# Allegro board SDHCalFEB20180110.brd (continued)
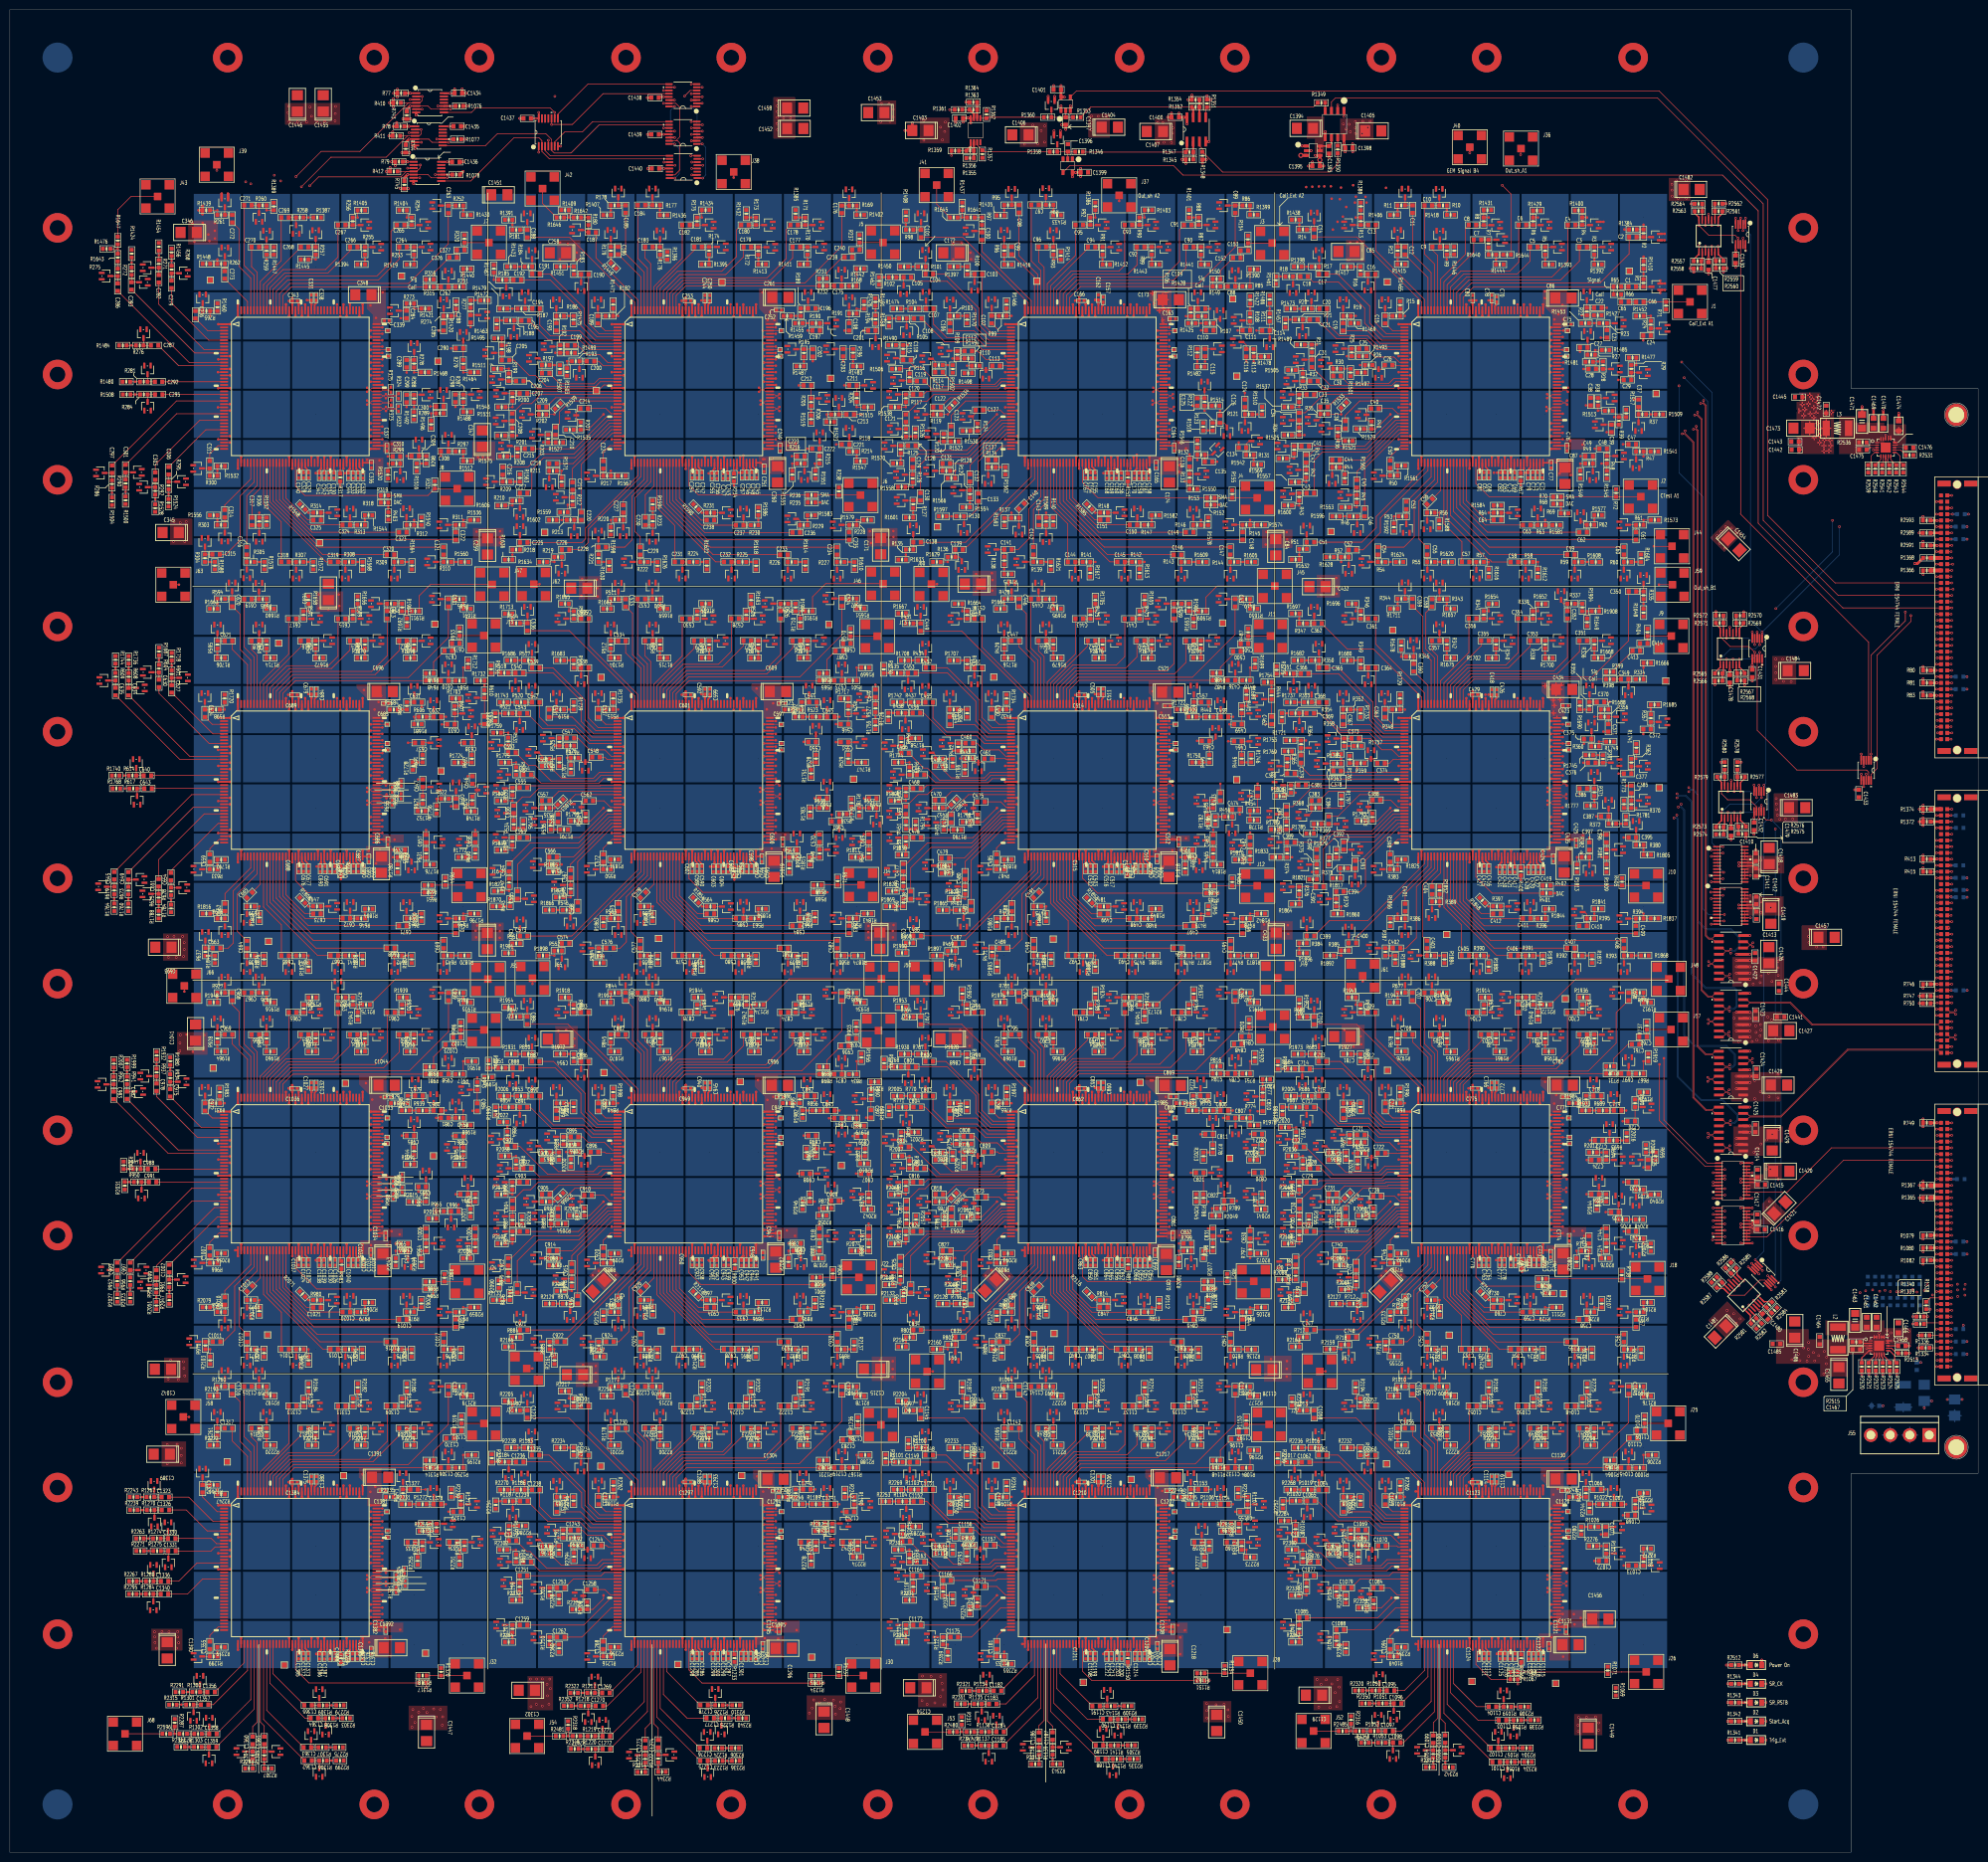
[diagram p0: board, top side]
## Routing (per net, layer and track width the routed paths; a pad name or vN(x,y) marks a point on that pad's centre or on a via; arc(x,y) is an arc through that point) (continued)
ESD_SIGNAL51_ASIC_C2: length 3.1
  TOP w0.127: U636.3 183.72,106.12 C834.1 R801.2
ESD_SIGNAL51_ASIC_C3: length 3
  TOP w0.127: R884.2 C921.1 103.74,106.12 U701.3
ESD_SIGNAL51_ASIC_D1: length 3
  TOP w0.127: U831.3 278.51,34.39 R1050.2 280,32.85 C1095.1
ESD_SIGNAL51_ASIC_D2: length 3
  TOP w0.127: U896.3 198.58,32.78 R1134.2 200.06,32.77 C1182.1
ESD_SIGNAL51_ASIC_D3: length 3
  TOP w0.127: U961.3 118.95,32.37 R1217.2 120.43,32.37 C1269.1
ESD_SIGNAL51_ASIC_D4: length 3
  TOP w0.127: C1356.1 40.14,32.55 R1300.2 38.66,32.55 U1026.3
ESD_SIGNAL52_ASIC_A1: length 3.1
  TOP w0.127: U52.3 272.25,262.6 272.25,262.6 R52.2 C52.1
ESD_SIGNAL52_ASIC_A2: length 3.4
  TOP w0.127: U117.3 193.56,262.69 193.03,263.22 R136.2 C139.1
ESD_SIGNAL52_ASIC_A3: length 3.1
  TOP w0.127: C226.1 R219.2 112.24,262.6 112.24,262.6 U182.3
ESD_SIGNAL52_ASIC_B1: length 3.1
  TOP w0.127: R385.2 C400.1 272.24,184.76 U312.3
ESD_SIGNAL52_ASIC_B5: length 3.1
  TOP w0.127: C487.1 R469.2 192.25,181.56 U377.3
ESD_SIGNAL52_ASIC_B6: length 3.1
  TOP w0.127: C574.1 R552.2 112.24,181.59 U442.3
ESD_SIGNAL52_ASIC_C1: length 3.1
  TOP w0.127: C748.1 R718.2 272.24,101.6 U572.3
ESD_SIGNAL52_ASIC_C2: length 3
  TOP w0.127: U637.3 192.25,101.63 R802.2 C835.1
ESD_SIGNAL52_ASIC_C3: length 3.1
  TOP w0.127: U702.3 108.23,103.73 R885.2 109.77,103.73 C922.1
ESD_SIGNAL52_ASIC_D1: length 3
  TOP w0.127: R1051.2 279.92,30.22 C1096.1 281.4,30.22 U832.3
ESD_SIGNAL52_ASIC_D2: length 3
  TOP w0.127: C1183.1 199.1,30.11 R1135.2 197.61,28.58 U897.3
ESD_SIGNAL52_ASIC_D3: length 3
  TOP w0.127: C1270.1 119.11,29.73 R1218.2 117.63,28.2 U962.3
ESD_SIGNAL52_ASIC_D4: length 3
  TOP w0.127: U1027.3 37.36,28.45 R1301.2 38.85,29.98 C1357.1
ESD_SIGNAL53_ASIC_A1: length 3.1
  TOP w0.127: U53.3 283.96,270.65 283.96,270.65 R53.2 283.96,272.05 283.97,272.06 C53.1
ESD_SIGNAL53_ASIC_A2: length 3.5
  TOP w0.127: C140.1 205.21,272.99 R137.2 205.21,270.55 205.19,270.54 U118.3
ESD_SIGNAL53_ASIC_A3: length 3
  TOP w0.127: U183.3 124.74,270.14 124.74,270.15 R220.2 124.74,271.34 124.75,271.35 C227.1
ESD_SIGNAL53_ASIC_A4: length 3.1
  TOP w0.127: C314.1 43.71,271.23 R303.2 43.71,268.13 U248.3
ESD_SIGNAL53_ASIC_B1: length 3.1
  TOP w0.127: C401.1 283.72,189.73 R386.2 283.71,189.72 U313.3
ESD_SIGNAL53_ASIC_B5: length 3.1
  TOP w0.127: U378.3 203.73,189.72 R470.2 203.73,191.21 C488.1
ESD_SIGNAL53_ASIC_B6: length 3.1
  TOP w0.127: C575.1 123.7,189.74 R553.2 123.72,188.14 U443.3
ESD_SIGNAL53_ASIC_B7: length 1.5
  TOP w0.127: C662.1 43.74,189.73 R636.2
ESD_SIGNAL53_ASIC_C1: length 3.1
  TOP w0.127: U573.3 283.71,109.76 R719.2 283.72,109.77 C749.1
ESD_SIGNAL53_ASIC_C2: length 3
  TOP w0.127: U638.3 203.7,109.76 R803.2 203.71,109.77 C836.1
ESD_SIGNAL53_ASIC_C3: length 3.1
  TOP w0.127: U703.3 123.72,108.21 R886.2 123.73,109.77 C923.1
ESD_SIGNAL53_ASIC_C4: length 3
  TOP w0.127: C1010.1 43.72,109.77 R969.2 43.71,108.23 U768.3
ESD_SIGNAL53_ASIC_D1: length 3
  TOP w0.127: U833.3 278.24,24.63 R1052.2 278.24,24.61 C1097.1
ESD_SIGNAL53_ASIC_D2: length 3
  TOP w0.127: U898.3 200.61,25.98 C1184.1 200.6,24.44 R1136.2
ESD_SIGNAL53_ASIC_D3: length 3.1
  TOP w0.127: R1219.2 120.51,23.58 C1271.1 120.53,23.57 U963.3
ESD_SIGNAL53_ASIC_D4: length 3
  TOP w0.127: R1302.2 40.53,24.04 C1358.1 40.54,24.03 U1028.3
ESD_SIGNAL54_ASIC_A1: length 3.1
  TOP w0.127: U54.3 277.35,262.21 277.36,262.2 R54.2 278.19,262.8 278.19,262.8 C54.1
ESD_SIGNAL54_ASIC_A2: length 3.1
  TOP w0.127: R138.2 C141.1 U119.3
ESD_SIGNAL54_ASIC_A3: length 3.1
  TOP w0.127: R221.2 119.69,263.75 C228.1 U184.3
ESD_SIGNAL54_ASIC_A4: length 3.1
  TOP w0.127: C315.1 39.69,263.74 R304.2 39.67,265.32 U249.3
ESD_SIGNAL54_ASIC_B1: length 3.1
  TOP w0.127: C402.1 279.73,183.71 R387.2 278.13,183.72 U314.3
ESD_SIGNAL54_ASIC_B5: length 3.1
  TOP w0.127: U379.3 198.2,183.72 R471.2 199.74,183.71 C489.1
ESD_SIGNAL54_ASIC_B6: length 3.1
  TOP w0.127: C576.1 121.26,183.72 R554.2 119.75,183.72 U444.3
ESD_SIGNAL54_ASIC_B7: length 3.1
  TOP w0.127: C663.1 39.77,183.71 R637.2 39.76,183.73 U509.3
ESD_SIGNAL54_ASIC_C1: length 3.1
  TOP w0.127: U574.3 279.77,103.74 R720.2 281.28,103.73 C750.1
ESD_SIGNAL54_ASIC_C2: length 3.1
  TOP w0.127: C837.1 201.27,103.73 R804.2 198.23,103.73 U639.3
ESD_SIGNAL54_ASIC_C3: length 3.1
  TOP w0.127: C924.1 119.76,103.73 R887.2 118.22,103.73 U704.3
ESD_SIGNAL54_ASIC_C4: length 3.1
  TOP w0.127: C1011.1 41.27,103.73 R970.2 38.23,103.73 U769.3
ESD_SIGNAL54_ASIC_D1: length 3.1
  TOP w0.127: U834.3 281.25,20.7 C1098.1 279.77,22.25 R1053.2
ESD_SIGNAL54_ASIC_D2: length 3
  TOP w0.127: U899.3 199.06,20.15 R1137.2 200.55,21.68 C1185.1
ESD_SIGNAL54_ASIC_D3: length 3
  TOP w0.127: U964.3 119.05,19.43 R1220.2 120.54,20.96 C1272.1
ESD_SIGNAL54_ASIC_D4: length 3.1
  TOP w0.127: U1029.3 40.49,19.82 C1359.1 40.47,21.37 R1303.2
ESD_SIGNAL55_ASIC_A1: length 3.1
  TOP w0.127: C55.1 288.21,262.81 288.23,262.8 R55.2 288.23,261.38 288.23,261.37 U55.3
ESD_SIGNAL55_ASIC_A2: length 3.3
  TOP w0.127: U120.3 207.18,262.22 207.19,262.2 R139.2 208.15,262.8 208.14,262.81 C142.1
ESD_SIGNAL55_ASIC_A3: length 3.1
  TOP w0.127: U185.3 128.19,262.21 R222.2 C229.1
ESD_SIGNAL55_ASIC_A4: length 3.1
  TOP w0.127: U250.3 48.18,261.6 48.18,261.61 R305.2 48.18,262.8 48.17,262.81 C316.1
ESD_SIGNAL55_ASIC_B1: length 3.1
  TOP w0.127: 288.18,182.22 288.17,182.23 C403.1 ; 288.18,182.22 U315.3 ; 288.18,182.22 R388.2
ESD_SIGNAL55_ASIC_B5: length 3.1
  TOP w0.127: C490.1 208.23,183.7 R472.2 208.23,180.62 U380.3
ESD_SIGNAL55_ASIC_B6: length 3.1
  TOP w0.127: U445.3 128.19,182.21 R555.2 128.17,182.23 C577.1
ESD_SIGNAL55_ASIC_B7: length 3.1
  TOP w0.127: U510.3 48.21,180.65 R638.2 48.21,182.22 C664.1
ESD_SIGNAL55_ASIC_C1: length 3.1
  TOP w0.127: U575.3 288.24,100.64 R721.2 288.24,103.66 C751.1
ESD_SIGNAL55_ASIC_C2: length 3.1
  TOP w0.127: C838.1 208.23,102.2 R805.2 208.23,100.64 U640.3
ESD_SIGNAL55_ASIC_C3: length 3.1
  TOP w0.127: U705.3 128.24,100.66 R888.2 128.25,102.2 C925.1
ESD_SIGNAL55_ASIC_C4: length 3.1
  TOP w0.127: U770.3 48.23,100.66 R971.2 48.24,102.21 C1012.1
ESD_SIGNAL55_ASIC_D1: length 3
  TOP w0.127: C1099.1 289.46,20.71 R1054.2 287.91,20.7 U835.3
ESD_SIGNAL55_ASIC_D2: length 3
  TOP w0.127: U900.3 207.75,21.31 R1138.2 209.27,21.32 C1186.1
ESD_SIGNAL55_ASIC_D3: length 3
  TOP w0.127: C1273.1 129.21,19.72 R1221.2 127.66,19.71 U965.3
ESD_SIGNAL55_ASIC_D4: length 3
  TOP w0.127: U1030.3 47.83,20.45 R1304.2 49.38,20.46 C1360.1
ESD_SIGNAL56_ASIC_A1: length 3.4
  TOP w0.127: C56.1 288.2,273.93 R56.2 288.2,271.61 288.21,271.61 U56.3
ESD_SIGNAL56_ASIC_A2: length 3.1
  TOP w0.127: C143.1 R140.2 210.72,268.78 210.73,268.77 U121.3
ESD_SIGNAL56_ASIC_A3: length 3.1
  TOP w0.127: C230.1 130.11,269.7 130.12,269.7 R223.2 130.71,268.85 130.7,268.85 U186.3
ESD_SIGNAL56_ASIC_A4: length 3.1
  TOP w0.127: C317.1 R306.2 50.72,268.08 U251.3
ESD_SIGNAL56_ASIC_B1: length 3.1
  TOP w0.127: U316.3 289.2,193.18 R389.2 289.2,194.69 C404.1
ESD_SIGNAL56_ASIC_B5: length 3.4
  TOP w0.127: U381.3 208.2,192.19 R473.2 208.2,192.2 C491.1
ESD_SIGNAL56_ASIC_B6: length 3.4
  TOP w0.127: U446.3 128.24,190.61 R556.2 128.24,192.2 C578.1
ESD_SIGNAL56_ASIC_B7: length 3.3
  TOP w0.127: C665.1 48.2,192.2 R639.2 48.21,192.19 48.21,190.63
ESD_SIGNAL56_ASIC_C1: length 3.2
  TOP w0.127: 288.25,113.86 288.25,112.19 R722.2 288.24,110.62 U576.3
ESD_SIGNAL56_ASIC_C2: length 3.3
  TOP w0.127: C839.1 208.21,112.22 R806.2 208.23,110.65 U641.3
ESD_SIGNAL56_ASIC_C3: length 3.3
  TOP w0.127: C926.1 128.25,112.22 R889.2 128.24,110.67 U706.3
ESD_SIGNAL56_ASIC_C4: length 3.3
  TOP w0.127: C1013.1 R972.2 48.23,112.2 U771.3
ESD_SIGNAL56_ASIC_D1: length 3.1
  TOP w0.127: U836.3 291.89,20.72 R1055.2 291.88,20.74 C1100.1
ESD_SIGNAL56_ASIC_D2: length 3
  TOP w0.127: C1187.1 212.06,22.82 R1139.2 213.58,21.34 U901.3
ESD_SIGNAL56_ASIC_D3: length 3
  TOP w0.127: C1274.1 131.83,19.8 R1222.2 133.37,19.79 U966.3
ESD_SIGNAL56_ASIC_D4: length 3
  TOP w0.127: C1361.1 51.74,20.46 R1305.2 53.26,20.45 U1031.3
ESD_SIGNAL57_ASIC_A1: length 3
  TOP w0.127: U57.3 298.21,261.6 298.21,261.6 R57.2 C57.1
ESD_SIGNAL57_ASIC_A2: length 3.1
  TOP w0.127: U122.3 216.65,262.18 C144.1 218.15,262.19 R141.2
ESD_SIGNAL57_ASIC_A3: length 3.1
  TOP w0.127: U187.3 C231.1 138.22,262.2 R224.2
ESD_SIGNAL57_ASIC_A4: length 3.1
  TOP w0.127: U252.3 58.22,260.61 R307.2 58.2,262.22 C318.1
ESD_SIGNAL57_ASIC_B1: length 3.1
  TOP w0.127: U317.3 298.22,180.64 R390.2 296.74,182.21 C405.1
ESD_SIGNAL57_ASIC_B5: length 3.1
  TOP w0.127: U382.3 218.24,180.62 R474.2 218.22,182.22 C492.1
ESD_SIGNAL57_ASIC_B6: length 3.1
  TOP w0.127: U447.3 138.22,182.21 R557.2 136.74,182.21 C579.1
ESD_SIGNAL57_ASIC_B7: length 3.1
  TOP w0.127: U512.3 56.74,180.62 C666.1 56.76,182.21 R640.2
ESD_SIGNAL57_ASIC_C1: length 3.1
  TOP w0.127: R723.2 296.76,102.2 C753.1 296.75,100.64 U577.3
ESD_SIGNAL57_ASIC_C2: length 3.1
  TOP w0.127: R807.2 216.72,102.21 C840.1 216.71,100.66 U642.3
ESD_SIGNAL57_ASIC_C3: length 3.1
  TOP w0.127: R890.2 138.24,102.21 C927.1 136.75,100.66 U707.3
ESD_SIGNAL57_ASIC_C4: length 3
  TOP w0.127: C1014.1 56.76,102.2 R973.2 58.24,100.66 U772.3
ESD_SIGNAL57_ASIC_D1: length 3
  TOP w0.127: U837.3 304.5,16.79 R1056.2 304.48,18.32 C1101.1
ESD_SIGNAL57_ASIC_D2: length 3
  TOP w0.127: U902.3 224.31,17.4 R1140.2 224.29,18.93 C1188.1
ESD_SIGNAL57_ASIC_D3: length 3.1
  TOP w0.127: U967.3 141.91,17.02 C1275.1 141.92,18.56 R1223.2
ESD_SIGNAL57_ASIC_D4: length 3
  TOP w0.127: U1032.3 62.92,17.07 R1306.2 61.43,18.61 C1362.1
ESD_SIGNAL58_ASIC_A1: length 3.1
  TOP w0.127: C58.1 307.31,262.19 307.33,262.2 R58.2 308.22,261.6 308.22,261.6 U58.3
ESD_SIGNAL58_ASIC_A2: length 3.1
  TOP w0.127: U123.3 226.71,261.57 226.72,261.58 C145.1 227.32,262.22 227.33,262.2 R142.2
ESD_SIGNAL58_ASIC_A3: length 3.1
  TOP w0.127: U188.3 C232.1 147.35,262.22 147.37,262.2 R225.2
ESD_SIGNAL58_ASIC_A4: length 3.1
  TOP w0.127: U253.3 68.22,260.61 R308.2 67.34,262.2 67.32,262.22 C319.1
ESD_SIGNAL58_ASIC_B1: length 3.1
  TOP w0.127: C406.1 306.72,182.21 R391.2 308.2,180.62 U318.3
ESD_SIGNAL58_ASIC_B5: length 3.1
  TOP w0.127: C493.1 226.73,182.21 R475.2 228.22,180.62 U383.3
ESD_SIGNAL58_ASIC_B6: length 3.1
  TOP w0.127: C580.1 146.75,182.21 R558.2 148.23,180.62 U448.3
ESD_SIGNAL58_ASIC_B7: length 3.1
  TOP w0.127: R641.2 66.76,182.21 C667.1 66.75,180.67 U513.3
ESD_SIGNAL58_ASIC_C1: length 3.1
  TOP w0.127: R724.2 308.24,102.21 C754.1 306.76,100.66 U578.3
ESD_SIGNAL58_ASIC_C2: length 3.1
  TOP w0.127: R808.2 226.73,102.2 C841.1 226.72,100.66 U643.3
ESD_SIGNAL58_ASIC_C3: length 3.1
  TOP w0.127: R891.2 146.75,102.2 C928.1 146.74,100.66 U708.3
ESD_SIGNAL58_ASIC_C4: length 3
  TOP w0.127: C1015.1 68.21,102.21 R974.2 68.22,100.66 U773.3
ESD_SIGNAL58_ASIC_D1: length 3.1
  TOP w0.127: U838.3 302.67,21.17 C1102.1 302.68,21.15 R1057.2
ESD_SIGNAL58_ASIC_D2: length 3.1
  TOP w0.127: R1141.2 223.81,21.72 C1189.1 222.33,23.26 U903.3
ESD_SIGNAL58_ASIC_D3: length 1.5
  TOP w0.127: U968.3 141.81,21.17 C1276.1
ESD_SIGNAL58_ASIC_D4: length 3.1
  TOP w0.127: R1307.2 61.28,21.3 C1363.1 61.26,22.83 U1033.3
ESD_SIGNAL59_ASIC_A1: length 3.1
  TOP w0.127: U59.3 318.2,261.6 318.2,261.6 R59.2 C59.1
ESD_SIGNAL59_ASIC_A2: length 3.1
  TOP w0.127: C146.1 R143.2 238.21,262.19 U124.3
ESD_SIGNAL59_ASIC_A3: length 3.1
  TOP w0.127: U189.3 158.19,261.6 158.19,261.6 R226.2 158.19,262.8 158.16,262.83 C233.1
ESD_SIGNAL59_ASIC_A4: length 3.1
  TOP w0.127: U254.3 78.18,260.61 R309.2 C320.1
ESD_SIGNAL59_ASIC_B1: length 3.1
  TOP w0.127: C407.1 R392.2 318.21,180.62 U319.3
ESD_SIGNAL59_ASIC_B5: length 3.1
  TOP w0.127: U384.3 238.23,180.62 R476.2 C494.1
ESD_SIGNAL59_ASIC_B6: length 3.1
  TOP w0.127: U449.3 158.21,182.18 R559.2 C581.1
ESD_SIGNAL59_ASIC_B7: length 3.1
  TOP w0.127: C668.1 R642.2 78.23,180.65 U514.3
ESD_SIGNAL59_ASIC_C1: length 3
  TOP w0.127: U579.3 318.24,100.66 R725.2 C755.1
ESD_SIGNAL59_ASIC_C2: length 3.1
  TOP w0.127: U644.3 238.23,100.64 R809.2 238.18,102.25 C842.1
ESD_SIGNAL59_ASIC_C3: length 3.1
  TOP w0.127: U709.3 158.24,100.66 R892.2 C929.1
ESD_SIGNAL59_ASIC_C4: length 3.1
  TOP w0.127: U774.3 78.23,100.66 R975.2 C1016.1
ESD_SIGNAL59_ASIC_D1: length 3
  TOP w0.127: U839.3 305.79,25.3 R1058.2 304.3,26.84 C1103.1
ESD_SIGNAL59_ASIC_D2: length 3
  TOP w0.127: U904.3 225.3,25.48 R1142.2 225.29,27.03 C1190.1
ESD_SIGNAL59_ASIC_D3: length 3
  TOP w0.127: C1277.1 143.19,27.25 R1225.2 144.68,25.71 U969.3
ESD_SIGNAL59_ASIC_D4: length 3.1
  TOP w0.127: C1364.1 62.7,27.22 R1308.2 64.21,27.2 U1034.3
ESD_SIGNAL60_ASIC_A1: length 3.1
  TOP w0.127: U60.3 328.21,261.37 328.21,261.38 R60.2 328.21,262.8 328.21,262.81 C60.1
ESD_SIGNAL60_ASIC_A2: length 3.1
  TOP w0.127: U125.3 248.2,261.59 248.18,261.61 R144.2 248.18,263.09 248.17,263.11 C147.1
ESD_SIGNAL60_ASIC_A3: length 3.1
  TOP w0.127: C234.1 168.21,262.81 168.2,262.8 R227.2 168.2,261.6 168.22,261.58 U190.3
ESD_SIGNAL60_ASIC_A4: length 3.1
  TOP w0.127: C321.1 88.21,263.66 R310.2 86.62,262.2 U255.3
ESD_SIGNAL60_ASIC_B1: length 3.1
  TOP w0.127: C408.1 328.22,182.22 R393.2 328.22,180.64 U320.3
ESD_SIGNAL60_ASIC_B5: length 3.1
  TOP w0.127: U385.3 248.23,180.62 R477.2 248.24,182.22 C495.1
ESD_SIGNAL60_ASIC_B6: length 3.1
  TOP w0.127: U450.3 168.22,180.62 R560.2 168.23,182.22 C582.1
ESD_SIGNAL60_ASIC_B7: length 3.1
  TOP w0.127: U515.3 88.21,180.65 R643.2 88.22,182.22 C669.1
ESD_SIGNAL60_ASIC_C1: length 3.1
  TOP w0.127: C756.1 328.22,102.21 R726.2 328.22,100.66 U580.3
ESD_SIGNAL60_ASIC_C2: length 3.1
  TOP w0.127: C843.1 248.21,102.22 R810.2 248.23,100.66 U645.3
ESD_SIGNAL60_ASIC_C3: length 3.1
  TOP w0.127: C930.1 168.25,102.2 R893.2 168.25,100.68 U710.3
ESD_SIGNAL60_ASIC_C4: length 3.1
  TOP w0.127: C1017.1 88.24,102.21 R976.2 88.24,100.66 U775.3
ESD_SIGNAL60_ASIC_D1: length 3.1
  TOP w0.127: C1104.1 302.27,29.56 R1059.2 303.76,29.56 U840.3
ESD_SIGNAL60_ASIC_D2: length 3
  TOP w0.127: U905.3 223.14,29.69 R1143.2 221.65,29.68 C1191.1
ESD_SIGNAL60_ASIC_D3: length 3
  TOP w0.127: C1278.1 141.95,29.86 R1226.2 143.44,29.87 U970.3
ESD_SIGNAL60_ASIC_D4: length 3
  TOP w0.127: C1365.1 61.43,29.84 R1309.2 62.92,29.84 U1035.3
ESD_SIGNAL61_ASIC_A1: length 3.1
  TOP w0.127: C61.1 330.67,268.83 330.67,268.84 R61.2 330.66,269.73 U61.3
ESD_SIGNAL61_ASIC_A2: length 3.2
  TOP w0.127: U126.3 250.09,269.76 250.1,269.75 R145.2 250.67,268.86 250.69,268.85 C148.1
ESD_SIGNAL61_ASIC_A3: length 3.1
  TOP w0.127: C235.1 170.69,268.82 170.69,268.82 R228.2 170.12,269.72 170.11,269.73 U191.3
ESD_SIGNAL61_ASIC_A4: length 3.1
  TOP w0.127: C322.1 90.69,269.71 R311.2 89.08,269.72 U256.3
ESD_SIGNAL61_ASIC_B1: length 3.1
  TOP w0.127: U321.3 329.07,189.73 R394.2 330.65,189.73 C409.1
ESD_SIGNAL61_ASIC_B5: length 3.1
  TOP w0.127: C496.1 250.67,188.24 R478.2 250.66,189.74 U386.3
ESD_SIGNAL61_ASIC_B6: length 3
  TOP w0.127: C583.1 170.66,188.27 R561.2 170.65,189.77 U451.3
ESD_SIGNAL61_ASIC_B7: length 3.1
  TOP w0.127: C670.1 90.68,188.27 R644.2 90.67,189.77 U516.3
ESD_SIGNAL61_ASIC_C1: length 3.1
  TOP w0.127: C757.1 330.68,109.74 R727.2 329.12,109.74 U581.3
ESD_SIGNAL61_ASIC_C2: length 3
  TOP w0.127: C844.1 250.67,108.26 R811.2 249.14,109.74 U646.3
ESD_SIGNAL61_ASIC_C3: length 3
  TOP w0.127: U711.3 169.13,109.77 R894.2 170.66,108.28 C931.1
ESD_SIGNAL61_ASIC_C4: length 3
  TOP w0.127: C1018.1 90.68,108.28 R977.2 90.67,109.76 U776.3
ESD_SIGNAL62_ASIC_A1: length 3.1
  TOP w0.127: U62.3 319.55,270.54 320.35,269.74 R62.2 C62.1
ESD_SIGNAL62_ASIC_A2: length 3
  TOP w0.127: U127.3 240.65,270.31 240.66,270.29 R146.2 C149.1
ESD_SIGNAL62_ASIC_A3: length 3.3
  TOP w0.127: U192.3 160.27,270.95 160.68,270.54 R229.2 160.68,268.83 160.68,268.82 C236.1
ESD_SIGNAL62_ASIC_A4: length 3.1
  TOP w0.127: C323.1 R312.2 80.67,271.34 U257.3
ESD_SIGNAL62_ASIC_B1: length 3.4
  TOP w0.127: U322.3 320.24,191.04 320.68,190.6 R395.2 C410.1
ESD_SIGNAL62_ASIC_B5: length 3.1
  TOP w0.127: U387.3 240.67,189.73 R479.2 C497.1
ESD_SIGNAL62_ASIC_B6: length 3.1
  TOP w0.127: U452.3 160.68,189.76 R562.2 C584.1
ESD_SIGNAL62_ASIC_B7: length 3
  TOP w0.127: C671.1 R645.2 80.67,189.76 U517.3
ESD_SIGNAL62_ASIC_C1: length 3
  TOP w0.127: U582.3 320.68,109.75 R728.2 C758.1
ESD_SIGNAL62_ASIC_C2: length 3
  TOP w0.127: C845.1 R812.2 240.66,111.3 U647.3
ESD_SIGNAL62_ASIC_C3: length 3
  TOP w0.127: U712.3 160.68,109.77 R895.2 C932.1
ESD_SIGNAL62_ASIC_C4: length 3
  TOP w0.127: U777.3 80.67,109.77 R978.2 80.67,108.28 C1019.1
ESD_SIGNAL63_ASIC_A1: length 3.1
  TOP w0.127: C63.1 309.8,269.71 309.82,269.69 R63.2 310.68,270.29 310.68,270.29 U63.3
ESD_SIGNAL63_ASIC_A2: length 3
  TOP w0.127: R147.2 229.84,269.72 229.83,269.74 C150.1 229.24,270.37 229.27,270.41 U128.3
ESD_SIGNAL63_ASIC_A3: length 3.1
  TOP w0.127: U193.3 149.17,271.26 C237.1 150.67,269.67 R230.2
ESD_SIGNAL63_ASIC_A4: length 3
  TOP w0.127: U258.3 69.16,271.27 C324.1 70.65,269.74 R313.2
ESD_SIGNAL63_ASIC_B1: length 3.1
  TOP w0.127: R396.2 309.21,189.73 C411.1 309.19,191.33 U323.3
ESD_SIGNAL63_ASIC_B5: length 3.1
  TOP w0.127: R480.2 230.67,189.74 C498.1 229.19,189.75 U388.3
ESD_SIGNAL63_ASIC_B6: length 3.1
  TOP w0.127: R563.2 149.19,189.75 C585.1 149.18,189.77 U453.3
ESD_SIGNAL63_ASIC_B7: length 3.1
  TOP w0.127: U518.3 69.19,189.77 C672.1 69.2,189.75 R646.2
ESD_SIGNAL63_ASIC_C1: length 3.1
  TOP w0.127: R729.2 309.18,109.74 C759.1 309.17,111.3 U583.3
ESD_SIGNAL63_ASIC_C2: length 3.1
  TOP w0.127: U648.3 230.68,111.28 R813.2 229.2,109.74 C846.1
ESD_SIGNAL63_ASIC_C3: length 3.1
  TOP w0.127: U713.3 149.18,109.76 C933.1 150.66,109.76 R896.2
ESD_SIGNAL63_ASIC_C4: length 3.1
  TOP w0.127: U778.3 69.19,109.78 C1020.1 70.68,109.77 R979.2
ESD_SIGNAL64_ASIC_A1: length 3.1
  TOP w0.127: U64.3 303.85,272.18 303.83,272.19 R64.2 C64.1
ESD_SIGNAL64_ASIC_A2: length 3.1
  TOP w0.127: U129.3 223.85,272.2 223.84,272.21 R148.2 C151.1
ESD_SIGNAL64_ASIC_A3: length 3.1
  TOP w0.127: C238.1 143.23,272.19 R231.2 144.82,272.19 U194.3
ESD_SIGNAL64_ASIC_A4: length 3.1
  TOP w0.127: C325.1 R314.2 64.84,272.21 U259.3
ESD_SIGNAL64_ASIC_B1: length 3.1
  TOP w0.127: U324.3 304.74,192.21 R397.2 C412.1
ESD_SIGNAL64_ASIC_B5: length 3.1
  TOP w0.127: U389.3 223.25,192.2 R481.2 C499.1
ESD_SIGNAL64_ASIC_B6: length 3.1
  TOP w0.127: U454.3 144.82,192.19 R564.2 C586.1
ESD_SIGNAL64_ASIC_B7: length 3.1
  TOP w0.127: C673.1 R647.2 64.78,192.21 U519.3
ESD_SIGNAL64_ASIC_C1: length 3
  TOP w0.127: C760.1 R730.2 304.74,112.2 U584.3
ESD_SIGNAL64_ASIC_C2: length 3.1
  TOP w0.127: C847.1 223.2,110.73 R814.2 U649.3
ESD_SIGNAL64_ASIC_C3: length 3.1
  TOP w0.127: U714.3 144.77,112.2 R897.2 C934.1
ESD_SIGNAL64_ASIC_C4: length 3.1
  TOP w0.127: U779.3 64.73,112.2 R980.2 63.22,110.7 C1021.1
GEM_OUT_A1: length 3.6
  TOP w0.127: R1410.2 332.2,321.79 v1(332.2,320.73) 332.2,320.72 R1.1
  GND1 w0.127: v2(332.2,321.46) v1(332.2,320.73)
  GND3 w0.127: v3(332.2,322.2) v2(332.2,321.46)
GEM_OUT_A2: length 3.8
  TOP w0.127: 332.2,329.77 v1(332.2,330.73) ; 332.2,329.77 R2.1 ; 332.2,329.77 332.2,329.77 R1384.2
  GND1 w0.127: v2(332.2,331.46) v1(332.2,330.73)
  GND3 w0.127: v3(332.2,332.2) v2(332.2,331.46)
GEM_OUT_A3: length 3.5
  TOP w0.127: R3.1 322.2,323.68 v1(322.2,323.67) 322.2,323.67 R1392.2
  GND1 w0.127: v2(322.2,322.94) v1(322.2,323.67)
  GND3 w0.127: v3(322.2,322.2) v2(322.2,322.94)
GEM_OUT_A4: length 3.9
  TOP w0.127: R1400.2 319.76,332.78 319.76,332.77 R4.1 320.72,332.2 v1(320.73,332.2)
  GND1 w0.127: v2(321.46,332.2) v1(320.73,332.2)
  GND3 w0.127: v3(322.2,332.2) v2(321.46,332.2)
GEM_OUT_A5: length 3.5
  TOP w0.127: R5.1 312.19,323.69 v1(312.2,323.67) 312.19,323.66 R1393.2
  GND1 w0.127: v2(312.2,322.94) v1(312.2,323.67)
  GND3 w0.127: v3(312.2,322.2) v2(312.2,322.94)
GEM_OUT_A6: length 3.9
  TOP w0.127: R1429.2 309.75,332.77 309.76,332.77 R6.1 310.72,332.19 v1(310.73,332.2)
  GND1 w0.127: v2(311.46,332.2) v1(310.73,332.2)
  GND3 w0.127: v3(312.2,332.2) v2(311.46,332.2)
GEM_OUT_A7: length 1.5
  TOP w0.127: R7.1 300.68,324.64 R1640.1
GEM_OUT_A8: length 4
  TOP w0.127: v1(300.73,332.2) 300.72,332.19 R8.1 299.7,332.77 299.69,332.77 R1431.2
  GND1 w0.127: v2(301.46,332.2) v1(300.73,332.2)
  GND3 w0.127: v3(302.2,332.2) v2(301.46,332.2)
GEM_OUT_A9: length 4
  TOP w0.127: R1446.2 293.69,324.7 R9.1 292.2,324.12 292.2,324.12 v1(292.2,323.67)
  GND1 w0.127: v2(292.2,322.94) v1(292.2,323.67)
  GND3 w0.127: v3(292.2,322.2) v2(292.2,322.94)
GEM_OUT_A10: length 3.4
  TOP w0.127: R10.1 292.2,333.68 v1(292.2,333.67) 292.2,333.67 R1418.2
  GND1 w0.127: v2(292.2,332.94) v1(292.2,333.67)
  GND3 w0.127: v3(292.2,332.2) v2(292.2,332.94)
GEM_OUT_A11: length 3.4
  TOP w0.127: R11.1 282.2,333.68 v1(282.2,333.67) 282.2,332.72 R1406.2
  GND1 w0.127: v2(282.2,332.94) v1(282.2,333.67)
  GND3 w0.127: v3(282.2,332.2) v2(282.2,332.94)
GEM_OUT_A12: length 3.5
  TOP w0.127: R12.1 282.2,324.12 282.2,324.12 v1(282.2,323.67) 282.2,322.71 R1415.2
  GND1 w0.127: v2(282.2,322.94) v1(282.2,323.67)
  GND3 w0.127: v3(282.2,322.2) v2(282.2,322.94)
GEM_OUT_A13: length 4
  TOP w0.127: v1(273.67,332.2) 274.69,332.2 R13.1 274.7,332.77 274.7,332.78 R1388.2
  GND1 w0.127: v2(272.94,332.2) v1(273.67,332.2)
  GND3 w0.127: v3(272.2,332.2) v2(272.94,332.2)
GEM_OUT_A14: length 3.5
  TOP w0.127: R1438.2 262.2,330.73 v1(262.2,330.73) 262.18,330.71 R14.1
  GND1 w0.127: v2(262.2,331.46) v1(262.2,330.73)
  GND3 w0.127: v3(262.2,332.2) v2(262.2,331.46)
GEM_OUT_A15: length 2.9
  TOP w0.127: R15.1 282.7,312.79 282.7,312.8 R1465.2
  GND1 w0.127: v2(282.94,312.2) v1(283.67,312.2)
  GND3 w0.127: v3(282.2,312.2) v2(282.94,312.2)
GEM_OUT_A16: length 3.4
  TOP w0.127: R16.1 273.68,322.19 v1(273.67,322.2) 272.7,322.2 R1417.2
  GND1 w0.127: v2(272.94,322.2) v1(273.67,322.2)
  GND3 w0.127: v3(272.2,322.2) v2(272.94,322.2)
GEM_OUT_A17: length 3.5
  TOP w0.127: R1398.2 263.21,322.2 v1(263.67,322.2) 264.12,322.2 264.13,322.19 R17.1
  GND1 w0.127: v2(262.94,322.2) v1(263.67,322.2)
  GND3 w0.127: v3(262.2,322.2) v2(262.94,322.2)
GEM_OUT_A18: length 39.5
  TOP w0.127: R1461.2 v1(258.37,320.22) 258.37,320.21 R18.1
  GND1 w0.127: v2(259.11,320.22) v1(258.37,320.22)
  SIG3 w0.127: v2(259.11,320.22) 266.39,312.94 v2(292.2,312.94)
  GND3 w0.127: v3(292.2,312.2) v2(292.2,312.94)
GEM_OUT_A19: length 4
  TOP w0.127: R1469.2 272.67,311.6 272.66,311.6 R19.1 273.67,312.2 v1(273.67,312.2)
  GND1 w0.127: v2(272.94,312.2) v1(273.67,312.2)
  GND3 w0.127: v3(272.2,312.2) v2(272.94,312.2)
GEM_OUT_A20: length 3.4
  TOP w0.127: R1473.2 261.25,313.67 v1(262.2,313.67) 263.16,313.67 R20.1
  GND1 w0.127: v2(262.2,312.94) v1(262.2,313.67)
  GND3 w0.127: v3(262.2,312.2) v2(262.2,312.94)
GEM_OUT_A21: length 44.6
  TOP w0.127: R1457.2 259.39,311.46 v1(260.38,311.46) 261.36,311.46 R21.1
  GND1 w0.127: v2(261.11,311.46) v1(260.38,311.46)
  SIG3 w0.127: v2(302.2,311.46) v2(261.11,311.46)
  GND3 w0.127: v3(302.2,312.2) v2(302.2,311.46)
GEM_OUT_A22: length 10
  TOP w0.127: v1(319.66,312.32) R22.1 321.28,312.32 321.28,312.32 R1427.2
  GND1 w0.127: v1(319.66,312.32) v2(318.92,312.32)
  SIG3 w0.127: v2(318.92,312.32) 313.62,312.32 313.5,312.2 v2(312.95,312.2)
  GND3 w0.127: v3(312.2,312.2) v2(312.95,312.2)
GEM_OUT_A23: length 3.6
  TOP w0.127: R23.1 322.67,310.71 322.66,310.73 v1(322.2,310.73) 321.71,310.73 321.7,310.72 R1453.2
  GND1 w0.127: v2(322.2,311.46) v1(322.2,310.73)
  GND3 w0.127: v3(322.2,312.2) v2(322.2,311.46)
GEM_OUT_A24: length 4.1
  TOP w0.127: R1452.2 332.78,312.19 332.79,312.2 v1(333.67,312.2) 333.67,311.03
  GND1 w0.127: v2(332.94,312.2) v1(333.67,312.2)
  GND3 w0.127: v3(332.2,312.2) v2(332.94,312.2)
GEM_OUT_A25: length 24
  TOP w0.127: v1(271.88,304.02) R25.1 273.45,304.02 273.46,304.01 R1493.2
  GND1 w0.127: v1(271.88,304.02) v2(272.4,304.54)
  SIG3 w0.127: v2(272.4,304.54) 272.92,304.02 280.97,304.02 282.79,302.2 v2(291.55,302.2)
  GND3 w0.127: v3(292.2,302.2) v2(291.55,302.2)
GEM_OUT_A26: length 9.1
  TOP w0.127: R1497.2 275.57,301.6 275.57,301.61 R26.1
  GND1 w0.127: v2(275.31,302.2) v1(274.57,302.2)
  SIG3 w0.127: v2(281.46,302.2) v2(275.31,302.2)
  GND3 w0.127: v3(282.2,302.2) v2(281.46,302.2)
GEM_OUT_A27: length 15.7
  TOP w0.127: R27.1 322.35,304.3 v1(322.35,305.26) R1485.2
  GND1 w0.127: v2(322.35,304.52) v1(322.35,305.26)
  SIG3 w0.127: v2(311.46,302.2) 312.94,302.2 314.11,303.38 321.21,303.38 v2(322.35,304.52)
  GND3 w0.127: v3(312.2,302.2) v2(311.46,302.2)
GEM_OUT_A28: length 3.5
  TOP w0.127: R28.1 323.97,302.94 v1(322.94,302.94) 322.01,302.94 R1481.2
  GND1 w0.127: v2(322.94,302.2) v1(322.94,302.94)
  GND3 w0.127: v3(322.2,302.2) v2(322.94,302.2)
GEM_OUT_A29: length 4
  TOP w0.127: R29.1 329.72,302.2 v1(330.73,302.2) 330.73,302.64 330.73,302.65 R1477.2
  GND1 w0.127: v2(331.46,302.2) v1(330.73,302.2)
  GND3 w0.127: v3(332.2,302.2) v2(331.46,302.2)
GEM_OUT_A30: length 3.5
  TOP w0.127: R1501.2 272.02,301.46 272.01,301.46 v1(271.46,301.46) 270.64,301.46 R30.1
  GND1 w0.127: v2(271.46,302.2) v1(271.46,301.46)
  GND3 w0.127: v3(272.2,302.2) v2(271.46,302.2)
GEM_OUT_A31: length 40.8
  TOP w0.127: R1489.2 264.16,306.35 264.17,306.35 R31.1 264.77,306.35 v1(265.76,306.35)
  GND1 w0.127: v2(266.28,305.83) v1(265.76,306.35)
  SIG3 w0.127: v2(266.28,305.83) 280.02,305.83 283.11,302.74 287.76,302.74 287.96,302.95 300.72,302.95 v2(301.46,302.2)
  GND3 w0.127: v3(302.2,302.2) v2(301.46,302.2)
